# Altium PCB ArduinoZeroV4.0.PcbDoc (part 2 of 2)
Units mm, origin at the board's own origin, x right, y up, seen from the top; angles counter-clockwise.
Board outline 68.58 x 53.34 mm, 4 copper layers (Top, Route2, Route15, Bottom), stack 0.925 mm thick; 124 components, 100 nets, 476 pads, 157 vias.
Unrouted connection lines stored in the file: 8.
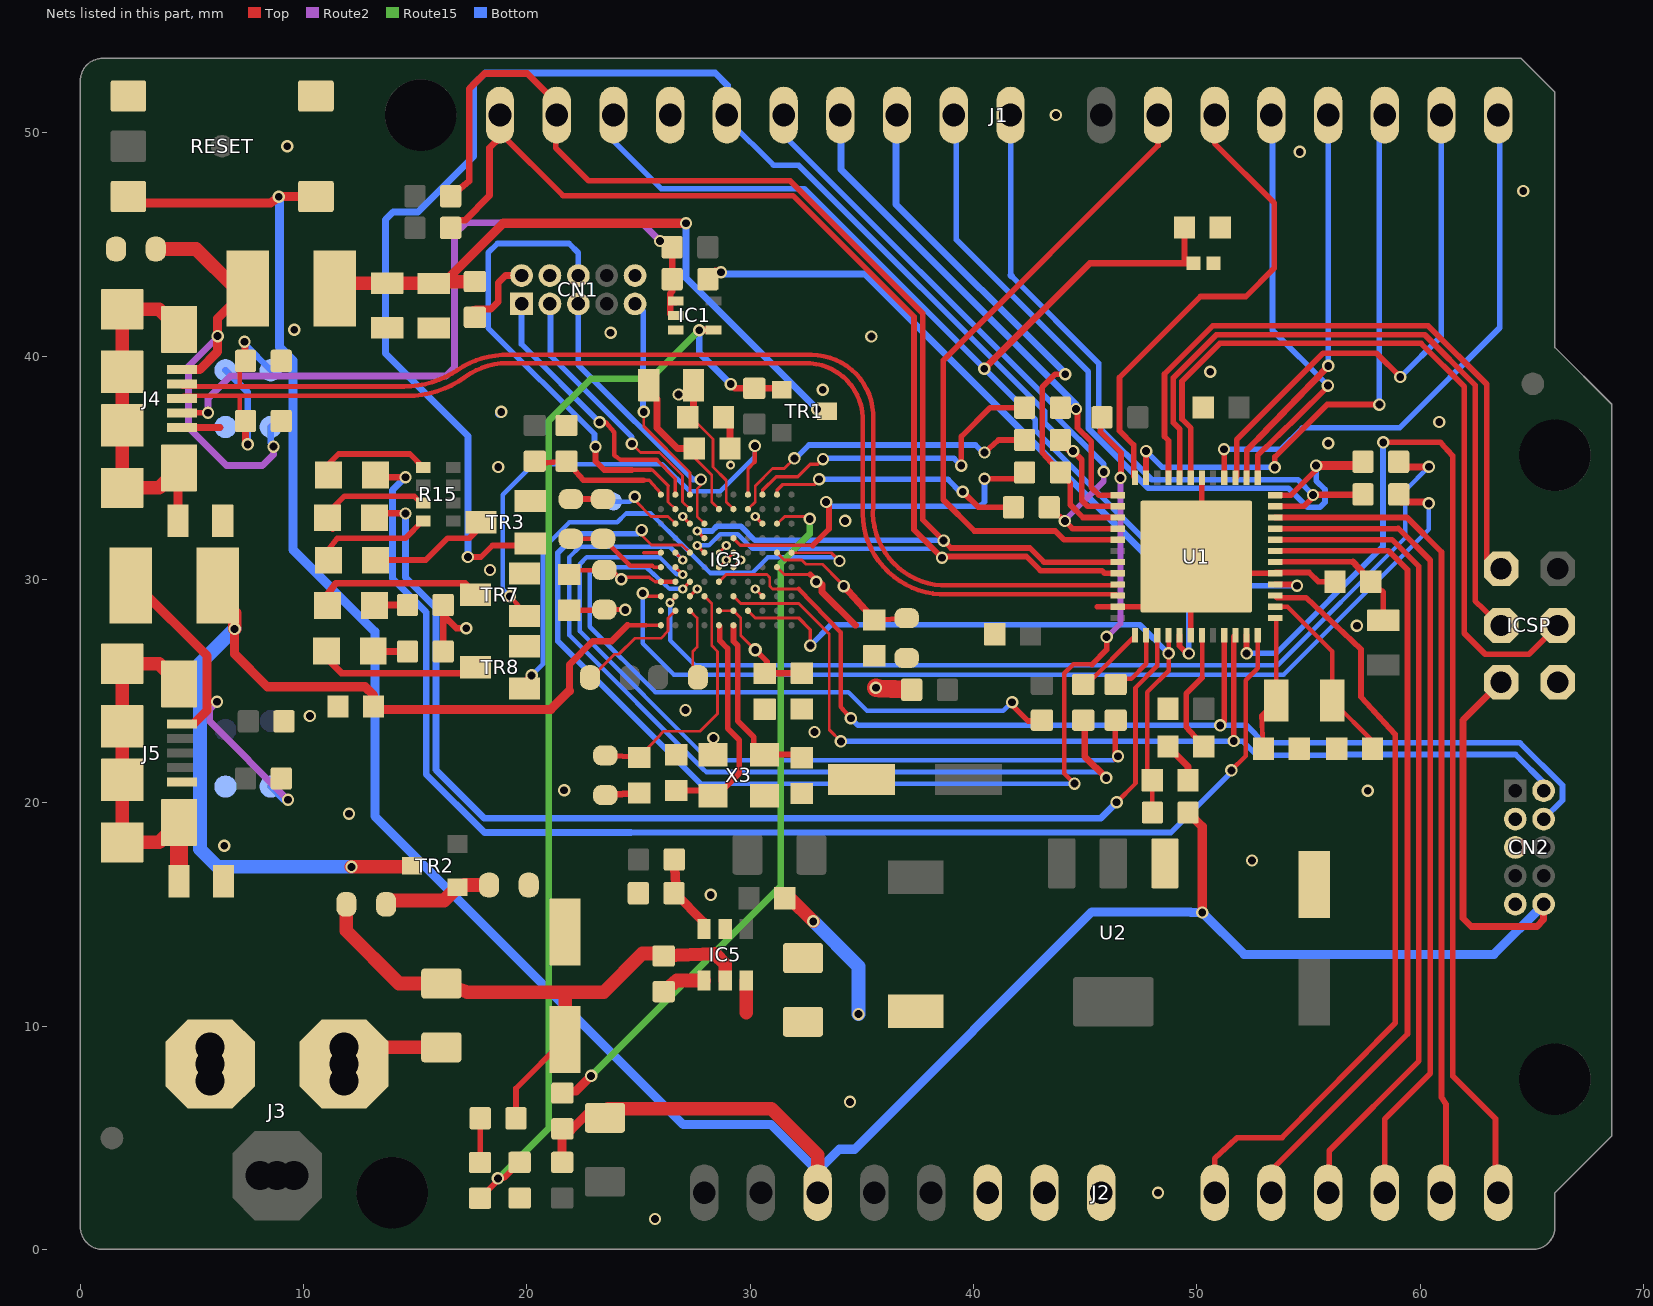
[diagram p4: the nets of this part, all layers, seen from the top]

## Via types
v1: diameter 0.553/0.553/0.553/0.553 (per signal layer), hole 0.35, Top to Bottom, 142 vias
v2: diameter 0.413/0.413/0.413/0.413 (per signal layer), hole 0.21, Top to Bottom, 13 vias
v3: diameter 0.61/0.553/0.553/0.61 (per signal layer), hole 0.35, Top to Bottom, 1 vias
v4: diameter 0.403/0.403/0.403/0.403 (per signal layer), hole 0.2, Top to Bottom, 1 vias

## Nets (pads, with @x,y where several pads share a name; then routed paths per layer and width w, separated by ;. In a path a pad name is that pad's centre, name@x,y a point inside that pad or via, vN(x,y) a via of type N, cw(c..) or ccw(c..) an arc to the next point about the centre after c; other vN are vias at no path point) (continued)
DGI_GPIO2: J1.9 R27.1 U1.11 | length 32.9
  Top w0.254: U1.11@53.503,33.278 54.798,33.278 55.205,33.685 v1(55.205,33.785) ; v1(55.205,33.785) 55.23,33.81 R27.1@57.442,33.81 57.328,33.785 v1(55.205,33.785)
  Bottom w0.254: J1.9@41.656,50.8 41.665,50.791 41.665,43.624 ; 41.7,43.59 45.605,39.685 45.605,36.845 47.985,34.465 54.525,34.465 v1(55.205,33.785)
  Bottom w0.305: 41.665,43.624 41.7,43.59
DGI_GPIO3: J1.10 R26.1 U1.12 | length 35.1
  Top w0.254: U1.12@53.503,33.778 54.218,33.778 55.345,34.905 v1(55.345,35.1)
  Top w0.406: v1(55.345,35.1) 57.103,35.1 R26.1@57.442,35.274
  Bottom w0.254: J1.10@39.116,50.8 39.23,50.686 39.23,45.22 45.138,39.313 45.138,36.774 47.827,34.084 54.109,34.084 54.956,33.238 55.518,33.238 55.74,33.46 55.74,34.03 55.345,34.425 v1(55.345,35.1)
EDBG_ADC0: IC3.K10 R8.1 R9.2 | length 6.5
  Top w0.152: 25.22,34.45 25.48,34.45 26,33.865 IC3.K10@26,33.8
  Top w0.254: R8.1@20.35,35.3 20.367,35.195 R9.2@21.774,35.3 22.519,34.45 25.22,34.45
EDBG_FORCE_BOOT: IC3.H9 TP_EDBG_FORCE_BOOT.X | length 3.5
  Top w0.127: v1(24.83,33.709) 24.83,33.559 25.565,32.825 26.325,32.825 IC3.H9@26.65,32.5
  Bottom w0.203: TP_EDBG_FORCE_BOOT.X@23.875,33.488 24.608,33.488 v1(24.83,33.709)
EN: IC5.4 R5.2 | length 2
  Top w0.61: R5.2@26.126,11.542 26.715,12.042 IC5.4@27.929,12.041
FB: IC5.3 R6.2 R7.1 | length 3.8
  Top w0.406: R6.2@26.599,17.458 26.688,15.961 R7.1@26.589,15.951 26.638,15.95 27.929,14.659 IC5.3@27.929,14.342
GND: C1.2 C2.- C3.1 C4.2 C6.2 C7.2 C8.2 C9.1 C19.2 C20.2 C21.2 C23.1 C24.1 C25.2 C26.2 C28.2 C29.2 C30.2 C31.2 C32.2 C33.2 C34.2 C36.2 C37.2 C38.2 C39.2 C40.2 C41.2 CN1.2 CN1.10 CN2.3 CN2.5 CN2.9 D6.A IC1.3 IC3.B10 IC3.C3 IC3.C8 IC3.E2 IC3.E6 IC3.F5 IC3.F10 IC3.H3 IC3.H8 IC5.2 ICSP.6 J1.15 J2.6 J2.7 J3.-1 J3.-2 J3.-3 J4.5 J5.5 L1.1 L5.2 PC1.- PC2.- R7.2 R9.1 R14.1 R17.1 R20.1 R40.1 RESET.1 RESET.2 TP_GND.X TR3.2 TR7.2 TR8.2 U1.5 U1.18 U1.35 U1.42 U1.49 U2.1 UGND1.X UGND2.X X3.2 X3.4 Z3.1 Z4.1 Z5.2 Z6.2 | length 41
  Top w0.127: IC3.E6@28.6,30.55 v2(28.925,30.875) IC3.F5@29.25,31.2 ; v2(30.225,29.575) IC3.C3@30.55,29.25 ; IC3.E2@31.2,30.55 31.525,30.225 32.305,30.225
  Top w0.152: 25.22,31.2 IC3.F10@26,31.2 ; v2(26.975,32.825) IC3.H8@27.3,32.5 ; IC3.C8@27.3,29.25 v2(27.625,29.575) ; v2(30.225,32.825) IC3.H3@30.55,32.5 ; 32.305,30.225 32.695,30.225
  Top w0.254: C36.2@21.902,28.62 23.442,28.62 C34.2@23.473,28.651 24.258,28.67 v1(24.408,28.637) ; C38.2@21.972,33.603 C37.2@23.406,33.603 ; 32.695,30.225 33.02,29.9 v1(32.958,29.9) ; 45.548,28.778 U1.35@46.453,28.778 49.69,28.778 U1.49@49.728,28.74 ; U1.42@49.728,27.503 U1.49@49.728,28.74 ; U1.18@50.228,34.553 U1.49@50.228,31.278 ; C21.2@56.19,29.906 56.095,29.9 55.445,29.9 55.031,30.314 53.539,30.314 U1.5@53.503,30.278 51.228,30.278 U1.49@50.228,31.278 ; U1.49@49.728,28.74 49.728,30.778 U1.49@49.978,31.028 U1.49@50.228,31.278
  Top w0.305: J4.5@4.549,36.8 6.25,36.8 ; R14.1@17.67,41.74 17.694,42.12 18.395,42.12 18.72,42.445 18.72,43.29 19.042,43.612 CN1.2@19.761,43.612 ; R20.1@23.516,20.345 C25.2@25.036,20.434 ; C31.2@28.799,37.272 29.099,36.972 C39.2@29.099,35.864 ; v1(32.958,29.9) 33.215,29.77 33.215,29.445 34.71,27.95 ; C19.2@48.71,22.522 49.608,21.624 C8.2@49.608,21.013
  Top w0.406: R14.1@17.615,42.041 R14.1@17.67,41.74
  Bottom w0.406: v1@18.785,37.44 v1(18.85,37.505)
  other v1: 25.736,1.363 48.26,2.54 34.472,6.604 28.235,15.876 52.473,17.413 6.447,18.073 12.031,19.51 21.667,20.559 57.655,20.54 28.35,22.9 32.876,23.17 10.281,23.885 27.1,24.15 57.168,27.925 18.344,30.423 34.25,32.625 18.72,35.035 55.885,36.1 60.86,37.05 33.25,38.5 50.6,39.3 35.425,40.885 23.75,41.05 9.579,41.188 64.618,47.396 54.61,49.149 9.271,49.403 43.688,50.8
  other v4: 29.125,35.125
N$1: LED6.C TR7.3 | length 7.6
  Top w0.305: LED6.C@11.069,28.829 11.069,29.323 11.44,29.835 17.234,29.835 TR7.3@17.695,29.315
N$2: LED7.C TR8.3 | length 7.4
  Top w0.305: LED7.C@11.019,26.797 11.019,26.486 11.7,25.805 17.544,25.805 TR8.3@17.695,26.065
N$3: LED3.C TR3.3 | length 5.6
  Top w0.254: LED3.C@13.219,30.864 13.295,30.875 15.47,30.875 16.445,31.85 17.42,31.85 18.029,32.459 TR3.3@17.945,32.565
N$4: IC1.4 R2.2 R34.1 R40.2 TR1.3 | length 52.1
  Top w0.254: R2.2@17.9,2.29 18.818,3.208 18.982,3.208 ; v1(18.702,3.181) 18.954,3.181 18.982,3.208 ; R40.2@19.674,3.9 18.982,3.208 ; v1(27.716,41.16) v1@27.716,41.173
  Top w0.305: v1@27.716,41.173 IC1.4@28.358,41.173 ; v1(29.125,38.75) 29.314,38.562 R34.1@30.182,38.562 31.355,38.562 TR1.3@31.414,38.502
  Route15 w0.305: v1(18.702,3.181) 18.726,3.181 20.982,5.437 20.982,37.111 22.86,38.989 25.545,38.989 v1(27.716,41.16)
  Bottom w0.305: v1(27.716,41.16) 27.716,40.159 v1(29.125,38.75)
N$5: R2.1 R3.2 | length 2
  Top w0.254: R2.1@17.9,3.89 17.91,3.9 R3.2@17.91,5.87
N$6: J5.6 J5.7 J5.8 J5.9 J5.10 J5.11 L1.2 | length 16.5
  Top w0.61: J5.6@4.424,19.125 3.524,18.225 J5.7@1.874,18.225 J5.8@1.874,21.025 J5.9@1.874,23.425 J5.10@1.874,26.225 3.524,26.225 J5.11@4.424,25.325
  Top w0.813: L1.2@4.415,16.48 4.415,19.116 J5.6@4.424,19.125
N$7: IC1.1 IC1.2 J4.4 R10.1 R11.1 | length 33.4
  Top w0.254: J4.4@4.549,37.45 cw(c4.564,37.45) 4.564,37.465 v1(5.715,37.465)
  Top w0.305: v1(25.959,45.161) 26.132,45.161 R10.1@26.503,44.879 26.507,44.875 R11.1@26.507,43.449 26.507,42.922 26.416,42.799 IC1.1@26.416,42.418 ; IC1.2@26.658,41.823 26.523,41.803 26.416,41.91 IC1.1@26.416,42.418 ; IC1.1@26.658,42.473 26.654,42.418 IC1.1@26.416,42.418
  Route2 w0.305: v1(5.715,37.465) 5.715,38.1 6.731,39.116 16.383,39.116 16.764,39.497 16.764,45.466 17.272,45.974 25.146,45.974 v1(25.959,45.161)
N$10: C21.1 L3.1 U1.6 | length 6.7
  Top w0.254: U1.6@53.503,30.778 53.514,30.789 56.996,30.789 ; C21.1@57.79,29.906 58.323,29.461 58.35,29.435 L3.1@58.35,28.17
  Top w0.305: 56.996,30.789 C21.1@57.79,29.906
N$15: J4.6 J4.7 J4.8 J4.9 J4.10 J4.11 L5.1 | length 16.2
  Top w0.406: L5.1@4.375,32.625 4.375,34.951 J4.6@4.424,35
  Top w0.61: J4.6@4.424,35 3.524,34.1 J4.7@1.874,34.1 J4.8@1.874,36.9 J4.9@1.874,39.3 J4.10@1.874,42.1 3.524,42.1 J4.11@4.424,41.2
N$16: R16.1 R17.2 TR2.3 | length 5
  Top w0.61: R16.1@13.696,15.45 13.89,15.625 16.287,15.625 TR2.3@16.886,16.224 17.115,16.224 17.207,16.317 R17.2@18.306,16.317
N$18: IC3.B9 R18.2 | length 5.4
  Top w0.127: R18.2@22.881,25.611 23.92,26.65 24.115,26.65 24.83,27.365 26,27.365 26.325,27.69 26.325,28.275 IC3.B9@26.65,28.6
  Top w0.203: R18.2@22.83,25.611 R18.2@22.881,25.611
N$19: IC3.B8 R19.2 | length 3.3
  Top w0.127: IC3.B8@27.3,28.6 27.625,28.275 27.625,26.975 27.43,26.78 R19.2@27.43,25.838
  Top w0.203: R19.2@27.43,25.838 R19.2@27.655,25.613
N$20: LED1.A R15.3 | length 5.9
  Top w0.254: LED1.A@11.069,32.769 11.31,32.246 11.31,33.215 11.83,33.735 14.95,33.735 15.265,33.42 R15.3@15.36,33.42
N$21: LED2.A R15.1 | length 5.2
  Top w0.254: LED2.A@11.119,34.674 11.119,35.169 11.57,35.62 14.76,35.62 R15.1@15.36,35.02
N$22: LED3.A R15.4 | length 5.3
  Top w0.254: LED3.A@11.119,30.864 11.119,31.358 11.505,31.85 14.56,31.85 15.33,32.62 R15.4@15.36,32.62
N$23: C25.1 IC3.C7 R20.2 | length 11.4
  Top w0.127: C25.1@25.036,22.034 26.117,23.205 27.755,23.205 28.535,23.985 28.535,26.78 28.275,27.04 28.275,28.925 IC3.C7@27.95,29.25
  Top w0.254: R20.2@23.516,22.123 C25.1@25.036,22.034
N$24: C41.1 IC3.A6 X3.1 | length 10.6
  Top w0.254: C41.1@26.688,20.549 28.093,20.549 28.333,20.309 28.238,20.475 28.665,20.475 29.51,21.32 29.51,22.815 28.99,23.335 28.99,26.91 28.64,27.26 28.64,27.91 IC3.A6@28.6,27.95
N$25: C40.1 IC3.A5 X3.3 | length 8.1
  Top w0.254: IC3.A5@29.25,27.95 29.25,27.235 29.445,27.04 29.445,23.66 30.16,22.945 30.16,22.632 X3.3@30.633,22.159 32.228,22.159 C40.1@32.31,22.014
N$26: C37.1 C38.1 IC3.E10 | length 4.6
  Top w0.152: 25.61,30.615 25.675,30.55 IC3.E10@26,30.55
  Top w0.203: C38.1@21.972,31.825 C37.1@23.406,31.825 23.425,31.825 24.635,30.615 25.61,30.615
N$27: C39.1 IC3.J6 L2.2 | length 7.3
  Top w0.127: C39.1@27.499,35.864 27.499,35.451 28.275,34.675 28.275,33.475 IC3.J6@28.6,33.15
  Top w0.305: L2.2@25.46,38.7 25.46,38.45 25.825,38.085 25.825,36.788 26.749,35.864 C39.1@27.499,35.864
N$34: IC3.K2 R22.1 | length 11.6
  Top w0.152: IC3.K2@31.2,33.8 31.2,33.995 31.46,34.255 32.86,34.255 33.085,34.48 v1(33.085,34.487)
  Top w0.254: v1(39.52,33.93) 40.217,33.233 R22.1@41.79,33.233
  Bottom w0.254: v1(33.085,34.487) 38.859,34.487 39.455,33.865 v1(39.52,33.93)
N$37: IC3.K3 R23.1 | length 14.5
  Top w0.152: IC3.K3@30.55,33.8 30.55,33.995 31.161,34.606 32.136,34.606 32.695,35.165 33.02,35.165 33.26,35.405 v1(33.26,35.39)
  Top w0.254: v1(39.455,35.1) 39.455,36.4 40.751,37.696 R23.1@42.29,37.696
  Bottom w0.254: v1(33.26,35.39) 33.295,35.425 39.13,35.425 v1(39.455,35.1)
N$38: IC3.J4 R24.1 | length 14.4
  Top w0.127: IC3.J4@29.9,33.15 30.225,33.475 30.225,34.19 31.005,34.97 31.525,34.97 v1(31.98,35.425)
  Top w0.254: v1(40.495,35.685) 41.119,36.244 R24.1@42.29,36.244
  Bottom w0.254: v1(31.98,35.425) 32.03,35.425 32.63,36.025 40.09,36.025 40.43,35.685 v1(40.495,35.685)
N$39: IC3.G5 R25.1 | length 16.2
  Top w0.152: IC3.G5@29.25,31.85 29.25,31.837 29.563,31.524 32.794,31.524
  Top w0.254: 32.794,31.524 33.02,31.75 33.528,32.258 33.528,33.345 v1(33.401,33.472) ; v1(40.495,34.515) 41.954,34.515 R25.1@42.29,34.793
  Bottom w0.254: v1(33.401,33.472) 33.593,33.28 40.3,33.28 40.495,33.475 v1(40.495,34.515)
N$40: IC3.C9 R26.2 | length 43
  Top w0.152: v2(26.41,28.955) 26.65,29.195 IC3.C9@26.65,29.25
  Top w0.305: R26.2@59.042,35.274 59.094,35.306 59.094,35.156 59.215,35.035 60.382,35.035 v1(60.393,35.046)
  Bottom w0.203: v2(26.41,28.955) 26.41,27.28 27.53,26.16 53.625,26.16 59.345,31.88 59.345,33.998 v1(60.393,35.046)
N$41: IC3.C10 R27.2 | length 44.5
  Top w0.152: v1(25.19,29.38) 25.32,29.25 IC3.C10@26,29.25
  Top w0.203: R27.2@59.042,33.81 R27.2@59.11,33.865
  Top w0.305: R27.2@59.11,33.865 59.11,33.515 59.15,33.475 60.32,33.475 v1(60.385,33.41)
  Bottom w0.203: v1(25.19,29.38) 25.19,27.135 26.585,25.74 53.885,25.74 60.385,32.24 v1(60.385,33.41)
N$42: IC3.D8 R28.2 | length 29.9
  Top w0.152: v2(26.975,29.575) IC3.D8@27.3,29.9
  Top w0.254: v1(41.73,24.505) 41.73,24.375 42.445,23.66 43.014,23.66 R28.2@43.063,23.7
  Bottom w0.203: v2(26.975,29.575) 26.39,29.575 25.35,30.55 23.075,30.55 22.815,30.29 22.815,27.885 25.74,24.96 34.385,24.96 35.23,24.115 41.34,24.115 v1(41.73,24.505)
N$43: IC3.F8 R29.2 | length 55.2
  Top w0.127: v1(25.138,32.211) 25.138,31.997 25.585,31.55 26.95,31.55 IC3.F8@27.3,31.2
  Top w0.203: v1(44.525,20.857) 44.07,21.312 44.07,25.805 44.46,26.195 45.305,26.195
  Top w0.254: 45.305,26.195 45.96,26.85 v1(45.96,27.43) ; R29.2@45.758,37.262 45.669,36.621 46.609,35.681 46.609,34.576 v1(46.582,34.549)
  Route2 w0.254: v1(45.96,27.43) 45.97,27.42 45.98,27.42 46.582,28.022 v1(46.582,34.549)
  Bottom w0.203: 27.761,20.859 44.523,20.859 v1(44.525,20.857)
  Bottom w0.254: v1(25.138,32.211) 24.972,32.045 22.23,32.045 21.385,31.2 21.385,27.235 27.761,20.859
N$44: IC3.E9 R30.2 | length 37.1
  Top w0.152: IC3.E9@26.65,30.55 v2(26.975,30.225)
  Top w0.254: R30.2@46.366,23.7 46.345,23.591 46.345,21.964 46.413,22.088 v1(46.472,22.088)
  Bottom w0.203: v2(26.975,30.225) 26.715,30.225 25.935,31.005 22.685,31.005 22.36,30.68 22.36,27.69 28.154,21.896 46.28,21.896 v1(46.472,22.088)
N$45: IC3.F9 R31.2 | length 39.1
  Top w0.152: IC3.F9@26.65,31.2 v2(26.975,30.875)
  Top w0.254: R31.2@44.915,23.7 R31.2@44.98,23.546
  Top w0.305: R31.2@44.98,23.546 44.98,22.082 v1(45.946,21.116)
  Bottom w0.203: v2(26.975,30.875) 26.39,31.46 22.36,31.46 21.905,31.005 21.905,27.495 27.894,21.506 28.033,21.379 45.683,21.379 v1(45.946,21.116)
N$57: CN1.1 IC3.K9 | length 12.5
  Top w0.152: 25.805,35.36 26.65,34.515 IC3.K9@26.65,33.8
  Top w0.203: v1(23.255,37.04) 23.539,37.04 23.92,36.595 23.92,35.555 24.18,35.36 25.805,35.36
  Bottom w0.152: CN1.1@19.761,42.342 CN1.1@19.761,42.342
  Bottom w0.254: CN1.1@19.761,42.342 19.76,40.54 23.255,37.045 v1(23.255,37.04)
N$58: CN1.9 IC3.K8 | length 9.6
  Top w0.127: v1(25.235,37.505) 25.235,36.86 27.3,34.795 IC3.K8@27.3,33.8
  Bottom w0.254: CN1.9@24.841,42.342 24.903,42.342 25.217,42.028 25.202,37.537 v1(25.235,37.505)
N$59: CN1.3 IC3.J8 | length 12.5
  Top w0.127: v1(24.7,36.075) 25.085,35.69 25.937,35.69 26.975,34.652 26.975,33.475 IC3.J8@27.3,33.15
  Top w0.152: IC3.J8@27.235,33.215 IC3.J8@27.3,33.15 27.3,33.215 IC3.J8@27.235,33.215
  Bottom w0.152: CN1.3@20.995,42.305 CN1.3@21.031,42.342
  Bottom w0.203: CN1.3@20.995,42.305 CN1.3@21.06,42.241
  Bottom w0.254: CN1.3@21.06,42.241 21.06,40.025 24.7,36.385 v1(24.7,36.075)
N$60: CN1.5 IC3.H7 | length 12.5
  Top w0.127: v1(27.789,34.475) 27.774,34.208 27.625,34.06 27.625,32.825 IC3.H7@27.95,32.5
  Bottom w0.152: CN1.5@22.295,42.336 CN1.5@22.301,42.342
  Bottom w0.254: CN1.5@22.295,42.336 22.295,39.615 27.435,34.475 v1(27.789,34.475)
N$61: CN1.6 IC3.J9 | length 21.6
  Top w0.127: 26.325,34.19 26.325,33.475 IC3.J9@26.65,33.15
  Top w0.152: 25.545,34.905 25.61,34.905 26.325,34.19
  Top w0.203: 24.7,34.905 25.545,34.905
  Top w0.254: v1(23.075,35.945) 23.075,35.295 23.465,34.905 24.7,34.905
  Bottom w0.254: CN1.6@22.301,43.612 22.301,44.634 21.885,45.05 18.68,45.05 18.265,44.635 18.265,41.27 23.025,36.51 23.025,35.995 v1(23.075,35.945)
N$67: LED6.A R32.1 | length 1.5
  Top w0.305: LED6.A@13.169,28.829 13.194,28.854 R32.1@14.65,28.854
N$68: LED7.A R33.1 | length 1.5
  Top w0.305: LED7.A@13.119,26.797 13.144,26.772 R33.1@14.65,26.772
PA00_XIN32: C24.2 U1.1 Y4.1 | length 6.2
  Top w0.203: C24.2@52.985,22.423 52.898,23.921 Y4.1@53.557,24.581 53.557,28.224 U1.1@53.503,28.278
PA01_XOUT32: C23.2 U1.2 Y4.2 | length 8.5
  Top w0.203: U1.2@53.503,28.778 54.062,28.778 56.057,26.783 Y4.2@56.057,24.581 57.92,22.718 C23.2@57.866,22.421
PA02_AIN0: J2.9 U1.3 | length 34.3
  Top w0.254: J2.9@50.8,2.54 50.8,4.065 51.805,5.005 53.82,5.005 58.89,10.14 58.89,23.068 57.35,24.748 57.35,26.877 54.889,29.189 53.592,29.189 U1.3@53.503,29.278
PA03_AREFA: C4.1 C9.2 J1.16 U1.4 | length 54.3
  Top w0.254: C9.2@49.45,45.76 49.45,44.18 49.47,44.16 ; U1.4@53.503,29.778 54.478,29.778 54.49,29.79 v1(54.49,29.722)
  Top w0.305: v1(40.485,39.439) 45.206,44.16 49.47,44.16 C4.1@49.849,44.16
  Bottom w0.254: J1.16@23.876,50.8 23.876,49.639 26.012,47.503 32.421,47.503 v1(40.485,39.439) 42.77,37.154 42.77,36.67 49.719,29.722 v1(54.49,29.722)
PA04_AIN4: J2.12 U1.9 | length 36.7
  Top w0.254: U1.9@53.503,32.278 59.015,32.278 59.026,32.289 60.452,30.863 60.452,7.874 58.42,5.842 J2.12@58.42,2.54
PA05_AIN5: J2.13 U1.10 | length 36.9
  Top w0.254: U1.10@53.503,32.778 59.393,32.778 59.403,32.789 60.96,31.232 60.96,6.812 61.163,6.507 61.163,2.743 J2.13@60.96,2.54
PA08_TCC0-W0: J1.5 U1.13 | length 18.6
  Top w0.254: U1.13@52.728,34.553 52.736,34.561 52.736,35.576 54.47,37.245 55.871,38.646 v1(55.871,38.683)
  Bottom w0.254: J1.5@53.34,50.8 53.39,50.75 53.39,41.164 v1(55.871,38.683)
PA09_TCC0-W1: J1.4 U1.14 | length 17.7
  Top w0.254: U1.14@52.228,34.553 52.236,34.561 52.236,35.791 52.77,36.325
  Top w0.305: 52.77,36.325 v1(55.89,39.565)
  Bottom w0.254: J1.4@55.88,50.8 55.88,39.575 v1(55.89,39.565)
PA10_TCC0-W2: J1.2 U1.15 | length 23.6
  Top w0.254: U1.15@51.728,34.553 51.786,34.611 51.786,36.266 55.651,40.131 58.049,40.131 v1(59.115,39.065)
  Bottom w0.254: v1(59.115,39.065) 60.945,40.895 J1.2@60.945,50.785
  Bottom w0.305: J1.2@60.945,50.785 J1.2@60.96,50.8
PA11_TCC0-W3: J1.1 U1.16 | length 25.4
  Top w0.254: v1(51.22,35.83) 51.22,35.81 51.23,35.8 51.228,35.798 U1.16@51.228,34.553
  Bottom w0.254: v1(51.22,35.83) 53.77,35.83 54.73,36.79 59.085,36.79 63.57,41.275 63.57,50.73 J1.1@63.5,50.8
PA12_S4_SPI_MISO: ICSP.1 U1.21 | length 30
  Top w0.254: U1.21@48.728,34.553 48.736,34.561 48.736,36.219 48.555,36.4 48.555,39.205 50.708,41.358 60.367,41.358 62.985,38.74 62.985,30.488 ICSP.1@63.627,30.48
PA14_TCC0-W4: J1.3 U1.23 | length 26.5
  Top w0.254: U1.23@47.728,34.553 47.728,35.708 47.73,35.71 v1(47.73,35.75) ; v1(53.495,35.02) 53.495,35.49 55.84,37.835 58.17,37.835 v1(58.175,37.83)
  Bottom w0.254: v1(47.73,35.75) 48.46,35.02 v1(53.495,35.02) ; v1(58.175,37.83) 58.175,50.555 J1.3@58.42,50.8
PA15_TCC0-W5: J1.6 U1.24 | length 21.7
  Top w0.254: U1.24@47.228,34.553 47.17,34.611 47.17,36.03 46.54,36.66 46.54,39.047 50.165,42.672 52.197,42.672 53.467,43.942 53.467,46.863 50.8,49.53 J1.6@50.8,50.8
PA16_MOSI: J1.12 R23.2 U1.25 | length 23.4
  Top w0.254: R23.2@43.89,37.696 44.399,37.696 v1(44.59,37.635) 44.655,37.635 44.655,36.79 45.27,36.175 45.27,34.125 45.617,33.778 U1.25@46.453,33.778
  Bottom w0.305: J1.12@34.036,50.8 34.06,50.776 34.06,48.354 34.196,48.227 44.59,37.833 v1(44.59,37.635)
PA17_SCK: J1.14 R24.2 TR3.1 U1.26 | length 68.3
  Top w0.254: v1(17.355,31.005) 17.94,31.005 18.46,31.525 20.012,31.525 TR3.1@20.145,31.615 ; v1(44.46,35.75) 44.85,35.36 44.85,33.54 45.112,33.278 U1.26@46.453,33.278
  Top w0.305: R24.2@43.89,36.244 43.859,36.244 43.81,36.27 44.33,35.75 v1(44.46,35.75)
  Bottom w0.254: J1.14@29.055,50.701 29.055,50.54 31.04,48.555 32.17,48.555 32.17,48.548 43.18,37.538 43.18,37.03 v1(44.46,35.75)
  Bottom w0.305: v1(17.355,31.005) 17.355,36.43 13.67,40.115 13.67,46.113 14.012,46.455 15.125,46.455 17.615,48.945 17.615,52.165 18.135,52.685 28.435,52.685 28.99,52.13 28.99,50.834 J1.14@28.956,50.8 J1.14@29.055,50.701
PA19_MISO: J1.13 R22.2 U1.28 | length 28.3
  Top w0.254: R22.2@43.39,33.233 v1(44.091,32.621) 44.434,32.278 U1.28@46.453,32.278
  Route2 w0.254: v1(44.091,32.621) 44.051,32.621 45.83,34.4 v1(45.83,34.82)
  Bottom w0.254: J1.13@31.609,49.798 43.561,37.846 43.561,37.438 45.83,35.169 v1(45.83,34.82)
  Bottom w0.305: J1.13@31.496,50.8 31.496,49.911 J1.13@31.609,49.798
PA20_TCC0-W6: J1.7 U1.29 | length 29.8
  Top w0.254: U1.29@46.453,31.778 44.057,31.778 43.66,32.175 40.04,32.175 38.643,33.572 38.643,39.812 48.26,49.43 J1.7@48.26,50.8
PA22_SDA: IC3.G7 J1.17 R13.1 U1.31 | length 62.1
  Top w0.152: v2(27.625,32.175) IC3.G7@27.95,31.85
  Top w0.254: J1.17@21.336,50.8 21.285,50.749 21.285,49.335 22.77,47.85 31.795,47.85 37.72,41.925 37.72,32.68 v1(38.66,31.74) 38.987,31.413 42.524,31.413 43.159,30.778 U1.31@46.453,30.778
  Top w0.305: R13.1@16.586,47.165 17.42,47.847 17.42,51.98 18.095,52.655 20.015,52.655 21.336,51.334 J1.17@21.336,50.8
  Bottom w0.254: v2(27.625,32.175) 28.292,32.175 28.502,32.385 29.586,32.385 30.221,31.75 38.65,31.75 v1(38.66,31.74)
PA23_SCL: IC3.F7 J1.18 R12.1 U1.32 | length 59.7
  Top w0.152: v2(27.625,31.525) IC3.F7@27.95,31.2
  Top w0.254: J1.18@18.796,50.8 18.796,50.009 21.615,47.19 31.915,47.19 37.335,41.77 37.335,32.225 v1(38.587,30.973) 38.68,31.065 38.713,31.032 42.366,31.032 43.001,30.397 45.751,30.397 45.87,30.278 U1.32@46.453,30.278
  Top w0.305: R12.1@16.586,45.746 16.819,46.085 17.225,46.085 18.33,47.19 18.33,49.335 18.796,49.801 J1.18@18.796,50.009
  Bottom w0.203: v2(27.625,31.525) 28.145,31.525 28.649,32.029 29.439,32.029 30.099,31.369 38.176,31.369 38.572,30.973 v1(38.587,30.973)
PA27_TX_LED: LED1.C U1.39 | length 53.4
  Top w0.203: v1(46.41,20.02) 47.255,20.865 47.255,25.155 48.23,26.13 48.23,26.758 48.228,26.76 U1.39@48.228,27.503
  Top w0.305: LED1.C@13.169,32.769 13.444,32.966 v1(14.56,32.955)
  Bottom w0.305: v1(14.56,32.955) 14.56,30.095 15.925,28.73 15.925,21.476 18.097,19.304 45.694,19.304 v1(46.41,20.02)
PA28_USB_HOST_EN: R11.2 U1.41 | length 31.2
  Top w0.254: U1.41@49.228,27.503 49.228,27.027 49.57,26.685 v1(49.645,26.685)
  Top w0.406: R11.2@28.107,43.449 28.127,43.447 28.442,43.762 v1(28.692,43.762)
  Bottom w0.254: v1(49.645,26.685) 49.645,29.175
  Bottom w0.305: v1(28.692,43.762) 28.737,43.68 35.14,43.68 49.645,29.175
PA30_SWCLK: CN2.4 IC3.D6 U1.45 | length 50
  Top w0.127: IC3.D6@28.6,29.9 28.925,30.225 30.745,30.225 30.875,30.095 30.875,29.705 31.005,29.575 32.178,29.575
  Top w0.203: 32.178,29.575 34.06,27.628 34.06,24.297 v1(34.508,23.784)
  Top w0.254: v1(51.05,23.465) 51.228,23.643 U1.45@51.228,27.503
  Bottom w0.254: v1(34.508,23.784) 34.827,23.465 v1(51.05,23.465) 52.234,23.465 53.014,22.685 64.474,22.685 66.375,20.784 66.375,20.113 CN2.4@65.532,19.27
PA31_SWDIO: CN2.2 IC3.C5 U1.46 | length 47.5
  Top w0.127: IC3.C5@29.25,29.25 29.575,28.925 32.175,28.925 33.54,27.56 33.54,23.27 v1(34.06,22.75)
  Top w0.254: v1(51.658,22.77) 51.658,27.433 U1.46@51.728,27.503
  Bottom w0.254: v1(34.06,22.75) v1@51.638,22.75 ; v1(51.658,22.77) v1@51.638,22.75 ; CN2.2@65.532,20.54 65.585,20.593 65.585,20.855 64.275,22.165 56.355,22.165 56.325,22.135 52.68,22.135 52.065,22.75 v1@51.638,22.75
PB02_AIN10: J2.14 U1.47 | length 50.8
  Top w0.254: U1.47@52.228,27.503 52.228,26.692 v1(52.23,26.69) ; v1(58.35,36.141) 60.915,36.141 61.468,35.538 61.468,7.757 63.375,5.85 J2.14@63.375,2.665
  Top w0.305: J2.14@63.375,2.665 J2.14@63.5,2.54
  Bottom w0.254: v1(52.23,26.69) 53.54,26.69 58.34,31.49 58.34,36.151 v1(58.35,36.141)
PB03_RX_LED: LED2.C U1.48 | length 60.5
  Top w0.203: v1(51.55,21.45) 52.195,22.095 52.195,25.48 52.736,26.021 52.736,27.495 U1.48@52.728,27.503
  Top w0.305: LED2.C@13.219,34.674 13.255,34.58 v1(14.56,34.58)
  Bottom w0.254: 24.65,18.669 48.839,18.669 v1@51.55,21.38
  Bottom w0.305: v1(14.56,34.58) 13.98,34 13.98,30.045 15.49,28.535 15.49,21.278 18.099,18.669 24.65,18.669 ; v1@51.55,21.38 v1(51.55,21.45)
PB08_AIN2: J2.10 U1.7 | length 36.7
  Top w0.254: J2.10@53.34,2.54 53.442,2.642 53.442,3.652 59.436,9.646 59.436,30.44 58.587,31.289 53.514,31.289 U1.7@53.503,31.278
PB09_AIN3: J2.11 U1.8 | length 36.7
  Top w0.254: U1.8@53.503,31.778 53.51,31.785 54.265,31.785 54.29,31.785 58.745,31.785 59.944,30.586 59.944,8.433 55.931,4.42 55.931,2.591 J2.11@55.88,2.54
PB10_S4_SPI_MOSI: ICSP.4 U1.19 | length 34.8
  Top w0.254: U1.19@49.728,34.553 49.736,34.561 49.736,36.779 49.335,37.18 49.335,38.88 51.028,40.573 60.047,40.573 61.976,38.644 61.976,27.594 62.92,26.65 64.877,26.65 ICSP.4@66.167,27.94
PB11_S4_SPI_SCK: ICSP.3 U1.20 | length 31.1
  Top w0.254: U1.20@49.228,34.553 49.236,34.561 49.236,36.734 48.945,37.025 48.945,39.03 50.878,40.963 60.207,40.963 62.465,38.705 62.465,29.037 ICSP.3@63.627,27.94
PB22_TXD: R31.1 U1.37 | length 3.2
  Top w0.203: R31.1@44.915,25.3 45.16,25.389 47.228,27.457 U1.37@47.228,27.503
PB23_RXD: R30.1 U1.38 | length 3.1
  Top w0.203: R30.1@46.366,25.3 46.522,25.545 47.06,25.545 47.736,26.221 47.728,26.229 U1.38@47.728,27.503
POWER_LED_CTRL: IC3.K4 TR7.1 | length 21.6
  Top w0.152: IC3.K4@29.9,33.8 29.9,34.965 30.178,35.242
  Top w0.203: v1(19.24,29.25) 19.72,28.725 TR7.1@19.895,28.365 ; 30.178,35.242 30.21,35.275 v1(30.21,35.985)
  Bottom w0.203: v1(19.24,29.25) 18.915,29.575 18.915,33.8 20.28,35.165 26.065,35.165 27.285,33.945 28.66,33.945 30.21,35.495 v1(30.21,35.985)
PWRIN: D1.A J2.8 J3.+1 J3.+2 J3.+3 | length 5.4
  Top w0.254: J3.+1@11.811,8.306 J3.+3@11.811,9.068
  Top w0.61: J3.+1@11.811,8.306 12.551,9.046 D1.A@16.168,9.046
RESET: CN2.10 D2.A ICSP.5 J2.3 R1.1 R4.2 R38.2 RESET.3 RESET.4 | length 142.5
  Top w0.254: J2.3@33.02,2.54 J2.3@33.02,3.51
  Top w0.305: ICSP.5@63.627,25.4 61.925,23.698 61.925,14.83 62.29,14.465 65.23,14.465 65.532,14.767 CN2.10@65.532,15.46
  Top w0.406: RESET.3@2.15,47.153 2.15,47.106 2.393,46.863 8.521,46.863 8.958,47.17 v1(8.89,47.141) RESET.4@10.55,47.153 ; R1.1@21.578,3.9 21.578,5.323 R38.2@21.589,5.4 21.971,5.334 22.797,6.16 D2.A@23.496,5.89 ; R4.2@49.611,19.565 50.244,18.932 v1(50.244,15.087)
  Top w0.61: D2.A@23.496,5.89 23.641,6.305 30.94,6.305 33.02,4.225 J2.3@33.02,3.51
  Bottom w0.254: J2.3@33.02,3.505 J2.3@33.02,2.54 J2.3@33.02,3.513
  Bottom w0.406: v1(8.89,47.141) 8.921,47.11 8.921,40.405 9.526,39.8 9.526,31.332 13.195,27.663 13.195,19.405 27.01,5.59 30.935,5.59 J2.3@33.02,3.505 ; J2.3@33.02,3.513 33.992,4.485 34.674,4.485 45.301,15.112 49.719,15.112 49.744,15.087 v1(50.244,15.087) 52.123,13.208 63.308,13.208 65.546,15.446 CN2.10@65.532,15.46
SS: J1.11 R25.2 U1.27 | length 24.2
  Top w0.254: v1(44.11,39.195) 43.66,39.195 43.075,38.61 43.075,35.697 R25.2@43.89,34.793 44.33,34.317 44.33,33.345 44.897,32.778 U1.27@46.453,32.778
  Bottom w0.305: J1.11@36.576,50.8 36.53,50.8 36.53,46.797 44.11,39.217 v1(44.11,39.195)
STATUS_LED_CTRL: IC3.F1 TR8.1 | length 24.3
  Top w0.127: IC3.F1@31.85,31.2 33,31.2 33.63,31.2 v1(34,30.83)
  Top w0.305: TR8.1@19.895,25.115 19.851,25.346 v1(20.21,25.705)
  Bottom w0.203: v1(20.21,25.705) 20.711,26.206 20.72,26.2 20.72,31.38 21.905,32.565 24.05,32.565 24.44,32.955 25.545,32.955 27.04,31.46 27.56,30.94 28.21,30.29 30.095,30.29 30.793,30.988 33.785,30.988 v1(34,30.83)
SW: C17.2 D6.C IC5.6 L4.P$1 | length 8.1
  Top w0.61: 29.829,10.609 IC5.6@29.829,12.041 ; C17.2@31.543,15.728 31.787,15.728 v1(32.825,14.69)
  Bottom w0.61: v1(32.825,14.69) 32.835,14.69 34.852,12.673 v1(34.852,10.536)
TARGET_RESET_EDBG: C8.1 IC3.B4 R4.1 U1.40 | length 29.3
  Top w0.127: IC3.B4@29.9,28.6 30.225,28.275 32.175,28.275
  Top w0.152: 32.175,28.275 32.695,27.755 v1(32.695,27.04)
  Top w0.203: R4.1@48.011,19.565 48.011,20.807 48.008,20.809 C8.1@48.008,21.013 47.775,21.157 47.775,24.96 48.736,25.921 v1(48.736,26.69) 48.736,27.495 U1.40@48.728,27.503
  Bottom w0.254: v1(32.695,27.04) 32.695,27.045 33.625,27.975 47.445,27.975 48.73,26.69 v1(48.736,26.69)
TARGET_RESET_SENSE: IC3.H2 R38.1 | length 32.2
  Top w0.127: IC3.H2@31.23,32.5 31.547,32.817 v1@32.563,32.817
  Top w0.152: IC3.H2@31.2,32.5 IC3.H2@31.23,32.5 ; v1@32.563,32.817 v1(32.664,32.715)
  Top w0.406: R38.1@21.589,7 22.194,7.089 v1(22.874,7.769)
  Route15 w0.305: v1(22.874,7.769) 31.369,16.264 31.369,30.734 32.664,32.029 v1(32.664,32.715)
TARGET_USB_N: D-.X J4.2 U1.33 Z6.1 | length 54.1
  Top w0.152: J4.2@4.549,38.75 4.575,38.724 J4.2@4.575,38.643
  Top w0.203: J4.2@4.575,38.643 7.15,38.643 ; Z6.1@7.4,39.789 7.369,39.787 7.15,39.771 7.15,38.643 ; U1.33@46.453,29.778 46.413,29.738 38.56,29.738 cw(c38.784,33.02) 35.503,33.244 35.503,37.18 ccw(c32.749,37.298) 32.749,40.055 18.895,40.055 ccw(c19.093,36.137) 16.9,39.39 cw(c14.474,42.952) 14.495,38.643 7.15,38.643
  Top w0.305: v1(7.35,40.65) 7.369,40.631 Z6.1@7.369,39.787
  Bottom w0.305: v1(7.35,40.65) 7.35,40.549 D-.X@8.529,39.37
TARGET_USB_P: D+.X J4.3 U1.34 Z5.1 | length 56.3
  Top w0.152: J4.3@4.549,38.1 4.6,38.151 J4.3@4.6,38.22
  Top w0.203: J4.3@4.6,38.22 7.15,38.22 ; Z5.1@7.4,37.101 7.15,37.112 7.15,38.22 ; U1.34@46.453,29.278 46.399,29.332 38.814,29.332 cw(c38.721,33.021) 35.032,32.928 35.032,36.985 ccw(c32.517,37.167) 32.699,39.682 18.825,39.68 ccw(c19.176,36.381) 17.225,39.065 cw(c14.625,42.642) 14.625,38.22 7.15,38.22
  Top w0.305: Z5.1@7.4,37.101 7.4,36.05 7.45,36 v1(7.5,36.05)
  Bottom w0.305: D+.X@6.5,39.37 7.5,38.37 v1(7.5,36.05)
USBVCC: C6.1 C7.1 F2.1 R14.2 TR1.1 | length 29.5
  Top w0.305: v1(33,37.625) 33.358,37.625 TR1.1@33.446,37.537
  Top w0.406: C7.1@16.245,43.26 16.325,43.34 18.94,45.955 v1(27.125,45.955)
  Top w0.61: F2.1@11.397,43.039 11.628,43.27 C6.1@13.74,43.27 13.75,43.26 C7.1@15.83,43.26 C7.1@16.245,43.26 ; C7.1@16.325,43.34 R14.2@17.67,43.34
  Bottom w0.305: v1(27.125,45.955) 27.125,43.5 v1(33,37.625)
VCC_EDBG_3V3: C29.1 C30.1 C31.1 C32.1 C33.1 C34.1 C36.1 CN1.4 IC3.B5 IC3.B6 IC3.D9 IC3.D10 IC3.E5 IC3.F2 IC3.F6 IC3.J5 L2.1 R21.2 R32.2 R33.2 | length 31.8
  Top w0.127: C31.1@27.199,37.272 27.349,37.272 28.33,36.291 28.33,35.04 28.925,34.445 28.925,33.475 IC3.J5@29.25,33.15 ; IC3.B6@28.6,28.6 IC3.B5@29.25,28.6 29.575,28.275 29.575,27.495 v3(30.225,26.845) ; IC3.F6@28.6,31.2 v2(28.925,31.525) ; IC3.E5@29.25,30.55 v2(29.575,30.875) ; IC3.F2@31.2,31.2 31.525,30.875 32.305,30.875 32.5,30.68 33.232,30.68 34.012,29.9 v1(34.19,29.705)
  Top w0.152: v1(24.225,30.01) 24.31,30.095 25.48,30.095 25.74,29.9 IC3.D10@26,29.9
  Top w0.203: C36.1@21.902,30.22 22.092,30.41 23.454,30.41 C34.1@23.473,30.429 23.766,30.429 v1(24.225,30.01) ; IC3.D10@26,29.9 IC3.D9@26.65,29.9
  Top w0.254: v1(26.795,38.285) 27.045,38.285 L2.1@27.46,38.7 ; v3(30.225,26.845) 30.75,26.32 C29.1@30.645,25.79 ; C30.1@35.561,28.181 C32.1@37.008,28.27
  Top w0.305: R33.2@16.25,26.772 R32.2@16.25,28.854 16.295,28.36 16.835,27.82 v1(17.284,27.82) ; C31.1@27.199,37.272 27.46,37.318 L2.1@27.46,38.7 ; C29.1@30.645,25.79 30.66,25.805 C33.1@32.313,25.8 ; v1(34.19,29.705) C30.1@35.561,28.181
  Top w0.813: v1(35.627,25.152) 35.795,25.125 R21.2@37.23,25.06
VCC_EDBG_USB: C28.1 F3.1 IC3.A10 TR2.1 | length 47.1
  Top w0.152: 25.35,27.95 IC3.A10@26,27.95
  Top w0.203: 24.505,27.95 25.35,27.95
  Top w0.305: 21.905,25.01 21.905,26.195 22.945,27.235 23.79,27.235 24.505,27.95
  Top w0.406: v1(6.91,27.788) 6.91,26.663 8.375,25.197 12.75,25.197 13.134,24.813 C28.1@13.134,24.311 13.265,24.18 21.075,24.18 21.905,25.01
  Top w0.61: F3.1@6.151,29.732 5.671,29.732 6.91,28.493 v1(6.91,27.788) ; v1(12.143,17.13) 14.795,17.13 TR2.1@14.854,17.189
  Bottom w0.61: v1(6.91,27.788) 5.36,26.237 5.36,17.92 6.15,17.13 v1(12.143,17.13)
VDDCORE: C19.1 U1.43 | length 5.6
  Top w0.203: U1.43@50.228,27.503 50.236,27.495 50.236,25.601
  Top w0.254: 50.236,25.601 49.53,24.895 49.53,23.391 C19.1@50.311,22.522
VIN_SW: C2.+ D1.C IC5.5 R3.1 R5.1 R16.2 | length 27.5
  Top w0.254: R3.1@19.51,5.87 19.51,7.21 C2.+@21.71,9.41
  Top w0.61: R16.2@11.918,15.45 11.918,14.278 11.91,14.27 14.274,11.906 D1.C@16.168,11.906 17.324,11.52 21.71,11.52 ; C2.+@21.71,9.41 21.71,11.52 ; IC5.5@28.879,12.041 28.879,12.769 ; 28.88,12.77 28.419,13.231 R5.1@26.126,13.142 26.107,13.25 25.17,13.25 23.44,11.52 21.71,11.52
XUSB: C26.1 F2.2 J4.1 U5V2.X | length 20.9
  Top w0.406: J4.1@4.549,39.4 5.34,39.4 6.15,40.21 v1(6.15,40.9) 6.15,41.692 F2.2@7.497,43.039
  Top w0.61: C26.1@3.379,44.8 5.186,44.799 6.946,43.039 F2.2@7.497,43.039
  Route2 w0.305: v1(6.15,40.9) 6.2,40.9 4.85,39.55 4.85,36.8 6.55,35.1 8.15,35.1 8.65,35.6 v1(8.65,35.95)
  Bottom w0.305: U5V2.X@8.529,36.83 8.529,36.121 8.65,36 v1(8.65,35.95)
XVCC: F3.2 J5.1 U5V1.X | length 16
  Top w0.254: J5.1@4.549,23.525 4.57,23.546 J5.1@5.086,23.546
  Top w0.305: 5.675,24.6 5.748,24.527 v1(6.119,24.527)
  Top w0.406: F3.2@2.251,29.732 2.522,29.732 5.675,26.579 5.675,24.6 5.675,24.135 J5.1@5.086,23.546
  Route2 w0.305: v1(6.119,24.527) 5.8,24.208 5.8,23.635 v1(9.3,20.135)
  Bottom w0.305: U5V1.X@8.529,20.726 9.105,20.15 9.3,20.15 v1(9.3,20.135)
pads on no net: CN1.7 CN1.8 CN2.6 CN2.7 CN2.8 FD1.P$1 FD2.P$1 FD3.P$1 IC3.A1 IC3.A2 IC3.A3 IC3.A4 IC3.A7 IC3.B1 IC3.B2 IC3.B3 IC3.B7 IC3.C1 IC3.C2 IC3.C4 IC3.C6 IC3.D1 IC3.D2 IC3.D3 IC3.D4 IC3.D5 IC3.D7 IC3.E1 IC3.E3 IC3.E4 IC3.E7 IC3.E8 IC3.F3 IC3.F4 IC3.G1 IC3.G2 IC3.G3 IC3.G4 IC3.G6 IC3.G8 IC3.G9 IC3.G10 IC3.H1 IC3.H4 IC3.H5 IC3.H6 IC3.H10 IC3.J1 IC3.J2 IC3.J3 IC3.J7 IC3.J10 IC3.K1 IC3.K5 IC3.K6 IC3.K7 J2.1 J3.E1 J3.E2 J3.E3 J5.4 R15.2 R15.7

## Polygon pours and split planes (outlines as drawn)
VCC_EDBG_3V3 on Route2 "Polygon_1_Net_VCC_EDBG_3V3" (solid, remove dead copper, pour order 2): 16.866,40.03 16.878,40.03 16.878,45.848 26.542,45.848 26.542,40.062 36.164,40.03 36.164,18.898 16.866,18.898
+3V3 on Route2 "Polygon_1_Net_+3V3" (solid, remove dead copper, pour order 4): 68.783,53.543 1.067,53.543 1.067,39.167 32.969,39.167 32.969,43.282 39.534,43.282 39.599,12.497 68.783,12.497
PWRIN on Route2 "Polygon_1_Net_PWRIN" (solid, remove dead copper, pour order 7): -0.127,15.271 -0.127,-0.127 47.647,-0.127 47.647,9.004 17.882,9.004 17.882,15.271
+5V on Route2 "Polygon_1_Net_+5V" (solid, remove dead copper, pour order 8): -0.305,38.913 33.384,38.913 33.384,44.17 40.514,44.17 40.514,38.948 68.885,38.948 68.885,-0.305 -0.305,-0.305
GND on Bottom "Polygon_1_Net_GND" (solid, remove dead copper, pour order 5): 3.873,53.452 68.682,53.452 68.682,-0.102 3.105,-0.102 3.155,-0.052 -0.102,-0.052 -0.102,43.042 -0.017,43.127 3.873,43.127
SW on Top "Polygon_1_Net_SW" (solid, remove dead copper, pour order 1): 23.858,11.43 34.997,11.43 34.997,12.319 39.55,12.319 40.259,11.61 40.259,8.966 39.129,7.772 23.858,7.772
+3V3 on Top "Polygon_2_Net_+3V3" (solid, remove dead copper, pour order 0): 49.657,15.447 49.657,8.613 42.833,8.613 42.833,15.447
GND on Top "Polygon_2_Net_GND" (solid, remove dead copper, pour order 6): -0.127,53.467 68.707,53.467 68.707,-0.127 -0.127,-0.127
GND on Route15 "Polygon_3_Net_GND" (solid, remove dead copper, pour order 3): -0.203,-0.203 68.783,-0.203 68.783,53.543 -0.203,53.543

## Keep-outs
Keep-Out Layer:
  the board outline again, w0.254

## Other copper
Bottom:
  text "ZERO_V4.0" at 0.748,1.278 h0.69 r270

## Silkscreen, mask and mechanical layers (free items; w line width, h text height)
Top Overlay:
  lines w0.305: 60.452,46.228 60.96,46.736 61.468,46.228 60.706,46.228 61.087,46.482 ; 63.119,46.863 64.135,46.863 63.627,46.355 63.246,46.736 63.754,46.736 ; 63.627,46.482 63.627,46.609 ; 60.071,46.101 60.96,46.99 61.849,46.101 60.071,46.101 ; 62.738,46.99 63.627,46.101 64.516,46.99 62.738,46.99
  text "#" at 39.624,46.609 h0.95 r90
  text "#" at 48.895,46.609 h0.95 r90
  text "#" at 51.308,46.609 h0.95 r90
  text "#" at 56.388,46.609 h0.95 r90
  text "SCL" at 19.907,46.193 h1.21 r90
  text "SDA" at 21.812,46.066 h1.21 r90
  text "GND" at 26.882,45.914 h1.21 r90
  text "#" at 34.671,45.339 h0.95 r90
  text "#" at 37.211,45.339 h0.95 r90
  text "AREF" at 24.225,44.73 h1.21 r90
  text "DIGITAL" at 39.152,44.414 h1.42
  text "TX" at 61.718,43.446 h1.21 r90
  text "RX" at 64.262,43.434 h1.21 r90
  text "[#=PWM]" at 40.894,43.053 h0.95
  text "1" at 61.247,29.944 h1.08
  text "ANALOG IN" at 50.546,6.096 h1.42
  text "IOREF" at 30.988,4.445 h1.21 r90
  text "RESET" at 33.274,4.445 h1.21 r90
  text "3V3" at 36.068,4.318 h1.21 r90
  text "5V" at 36.957,4.318 h1.21
  text "VIN" at 44.323,4.318 h1.21
  text "A0" at 49.989,4.33 h0.86
  text "A1" at 52.529,4.33 h0.86
  text "A2" at 55.069,4.33 h0.86
  text "A3" at 57.609,4.33 h0.86
  text "A4" at 60.149,4.33 h0.86
  text "A5" at 62.689,4.33 h0.86
  text "GND" at 40.013,4.305 h1.21
Bottom Overlay:
  text "MADE IN" at 64.77,45.085 h2.2
  text "designed by" at 41.529,44.958 h2.2
  text "tinker it" at 39.37,43.18 h1.21
  text "ITALY" at 64.135,42.545 h2.2
Dimension:
  the board outline again, w0.254
tPlace:
  circle w0.254: c22.098,48.768 r0.254
  lines w0.305: 29.21,46.228 30.353,45.085 38.481,45.085 ; 49.149,45.085 57.277,45.085 58.42,46.228
  text "1" at 61.407,48.619 h1.21 r90
  text "9" at 39.563,48.216 h1.21 r90
  text "8" at 42.103,48.216 h1.21 r90
  text "7" at 46.167,48.216 h1.21 r90
  text "6" at 48.707,48.216 h1.21 r90
  text "5" at 51.247,48.216 h1.21 r90
  text "4" at 53.787,48.216 h1.21 r90
  text "3" at 56.327,48.216 h1.21 r90
  text "2" at 58.867,48.216 h1.21 r90
  text "0" at 63.947,48.216 h1.21 r90
  text "11" at 34.483,47.612 h1.21 r90
  text "13" at 29.403,47.209 h1.21 r90
  text "12" at 31.943,47.209 h1.21 r90
  text "10" at 37.023,47.209 h1.21 r90
ReferenceLC:
  text "ON" at 69.132,35.359 h1.97

## Text inside footprints (layer, text, board x,y; h text height)
U$4: ReferenceLC "ARDUINO and other Arduino brands and logos and Trademarks of Arduino SA. All Arduino SA Trademarks cannot be used without owner's formal permission" at -78.74,-25.4 h1.28; ReferenceLC "The product information on the Web Site or Materials is subject to change without notice. Do not finalize a design with this info" at -78.74,-20.9 h1.28; ReferenceLC "these for future definition and shall have no responsibility whatsoever for conflicts or incompatibilities arising from future changes to them." at -78.74,-18.649 h1.28; ReferenceLC "rely on the absence or characteristics of any features or instructions marked \"reserved\" or \"undefined.\" Arduino SA reserves" at -78.74,-16.399 h1.28; ReferenceLC "Arduino SA may make changes to specifications and product descriptions at any time, without notice. The Customer must not" at -78.74,-14.149 h1.28; ReferenceLC "REGARDING PRODUCTS, INCLUDING BUT NOT LIMITED TO, ANY IMPLIED WARRANTIES OF MERCHANTABILITY OR FITNESS FOR A PARTICULAR PURPOSE" at -78.74,-9.649 h1.28; ReferenceLC "Reference Designs ARE PROVIDED \"AS IS\" AND \"WITH ALL FAULTS. Arduino SA DISCLAIMS ALL OTHER WARRANTIES, EXPRESS OR IMPLIED," at -78.74,-7.399 h1.28
U$5: ReferenceLC "ARDUINO and other Arduino brands and logos and Trademarks of Arduino SA. All Arduino SA Trademarks cannot be used without owner's formal permission" at -78.74,-25.4 h1.28; ReferenceLC "The product information on the Web Site or Materials is subject to change without notice. Do not finalize a design with this info" at -78.74,-20.9 h1.28; ReferenceLC "these for future definition and shall have no responsibility whatsoever for conflicts or incompatibilities arising from future changes to them." at -78.74,-18.649 h1.28; ReferenceLC "rely on the absence or characteristics of any features or instructions marked \"reserved\" or \"undefined.\" Arduino SA reserves" at -78.74,-16.399 h1.28; ReferenceLC "Arduino SA may make changes to specifications and product descriptions at any time, without notice. The Customer must not" at -78.74,-14.149 h1.28; ReferenceLC "REGARDING PRODUCTS, INCLUDING BUT NOT LIMITED TO, ANY IMPLIED WARRANTIES OF MERCHANTABILITY OR FITNESS FOR A PARTICULAR PURPOSE" at -78.74,-9.649 h1.28; ReferenceLC "Reference Designs ARE PROVIDED \"AS IS\" AND \"WITH ALL FAULTS. Arduino SA DISCLAIMS ALL OTHER WARRANTIES, EXPRESS OR IMPLIED," at -78.74,-7.399 h1.28
U$6: ReferenceLC "ARDUINO and other Arduino brands and logos and Trademarks of Arduino SA. All Arduino SA Trademarks cannot be used without owner's formal permission" at -78.74,-25.4 h1.28; ReferenceLC "The product information on the Web Site or Materials is subject to change without notice. Do not finalize a design with this info" at -78.74,-20.9 h1.28; ReferenceLC "these for future definition and shall have no responsibility whatsoever for conflicts or incompatibilities arising from future changes to them." at -78.74,-18.649 h1.28; ReferenceLC "rely on the absence or characteristics of any features or instructions marked \"reserved\" or \"undefined.\" Arduino SA reserves" at -78.74,-16.399 h1.28; ReferenceLC "Arduino SA may make changes to specifications and product descriptions at any time, without notice. The Customer must not" at -78.74,-14.149 h1.28; ReferenceLC "REGARDING PRODUCTS, INCLUDING BUT NOT LIMITED TO, ANY IMPLIED WARRANTIES OF MERCHANTABILITY OR FITNESS FOR A PARTICULAR PURPOSE" at -78.74,-9.649 h1.28; ReferenceLC "Reference Designs ARE PROVIDED \"AS IS\" AND \"WITH ALL FAULTS. Arduino SA DISCLAIMS ALL OTHER WARRANTIES, EXPRESS OR IMPLIED," at -78.74,-7.399 h1.28